# Altium PCB DB_ADCS.PcbDoc (part 2 of 2)
Units mm, origin at the board's own origin, x right, y up, seen from the top; angles counter-clockwise.
Board outline 63.5 x 43.5 mm, 2 copper layers (Top Layer, Bottom Layer), stack 1.671 mm thick; 120 components, 101 nets, 423 pads, 133 vias.
Unrouted connection lines stored in the file: 155.
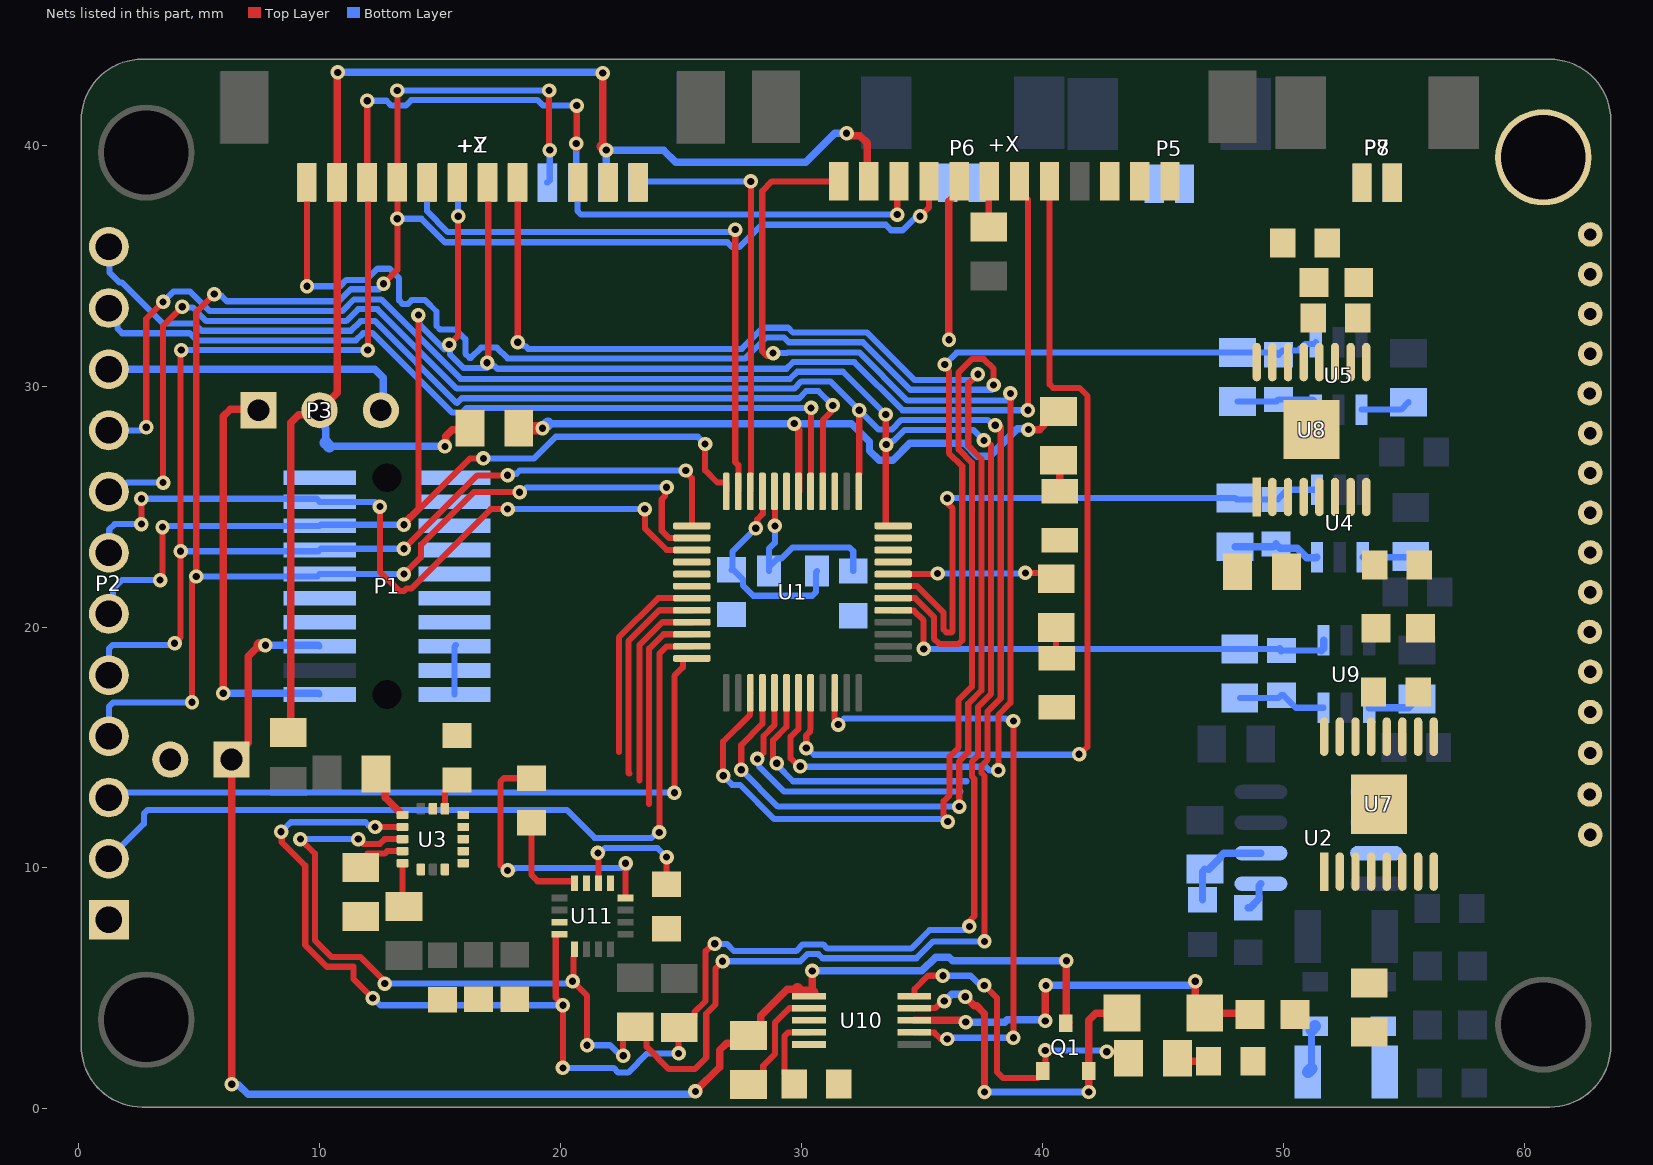
[diagram p2: the nets of this part, all layers, seen from the top]

## Via types
v1: diameter 0.6, hole 0.3, Top Layer to Bottom Layer, 133 vias

## Nets (pads, with @x,y where several pads share a name; then routed paths per layer and width w, separated by ;. In a path a pad name is that pad's centre, name@x,y a point inside that pad or via, vN(x,y) a via of type N, cw(c..) or ccw(c..) an arc to the next point about the centre after c; other vN are vias at no path point) (continued)
"BATTERY VCC": P1.5 P4.1 Q1.3 R18.1 U10.1 | length 61.9
  Top Layer w0.31: P4.1@6.34,14.5 7.04,15.2 7.04,18.79 v1@7.5,19.25 ; v1(6.35,1.025) P4.1@6.35,14.49 ; v1(25.6,0.725) 26.6,1.725 26.6,2.427 26.898,2.725 R18.1@27.322,2.725 ; R18.1@28.308,3.387 28.308,3.858 29.415,4.965 29.835,4.965 ; 30.45,4.825 v1@30.45,5.525 ; Q1.3@41,3.575 v1(41,6.15)
  Top Layer w0.508: P4.1@6.34,14.5 P4.1@6.35,14.49 ; v1@7.5,19.25 v1(7.75,19.25) ; R18.1@27.322,2.725 R18.1@27.638,3.041 ; R18.1@27.8,3.041 27.962,3.041 R18.1@28.308,3.387 ; 29.835,4.965 29.975,4.825 30.45,4.825 ; Q1.3@40.975,3.55 Q1.3@41,3.575
  Bottom Layer w0.254: P1.5@9.95,19.25 P1.5@10,19.2
  Bottom Layer w0.31: v1@6.368,1.007 6.618,1.007 7.025,0.6 v1@25.525,0.6 ; v1(7.75,19.25) P1.5@9.95,19.25 ; v1(30.45,5.725) 35,5.725 35.575,6.3 36.125,6.3 36.275,6.15 v1(41,6.15)
  Bottom Layer w0.508: v1(6.35,1.025) v1@6.368,1.007
"D BOARD ADC0": P1.12
"D BOARD ADC1": P1.14
"D BOARD ADC2": P1.16
"D BOARD GPIO0": P1.7
"D BOARD GPIO1": P1.8
"D BOARD GPIO2": P1.9
"D BOARD GPIO3": P1.10
"D BOARD SPI CS1": P1.19
D_BOARD_SPI_CS0: P1.17 P2.7 U1.15 | length 32
  Top Layer w0.254: v1(2.6,24.275) v1(2.6,25.325) ; v1(12.5,25) 12.5,22.3 13.295,21.505 13.505,21.505 13.6,21.6 13.8,21.6 17.1,24.9 v1(17.8,24.9) ; v1(23.5,24.9) 23.5,24.1 24.4,23.2 U1.15@25.45,23.2
  Bottom Layer w0.254: P2.7@1.25,23.085 1.267,23.102 1.267,24.051 1.491,24.275 v1(2.6,24.275) ; v1(2.6,25.325) 9.875,25.325 P1.17@10,25.2 12.3,25.2 v1(12.5,25) ; v1(17.8,24.9) v1(23.5,24.9)
DRIVER_CH0_0: TP4.1 U1.22 U7.16 | length 8.5
  Top Layer w0.254: 23.675,12.65 23.675,19.1 24.275,19.7 U1.22@25.45,19.7
DRIVER_CH0_1: TP6.1 U1.21 U7.15 | length 8.2
  Top Layer w0.254: 23.275,13.625 23.275,19.25 24.225,20.2 U1.21@25.45,20.2
DRIVER_CH0_CH1_FAULT: U1.46 U7.8
DRIVER_CH0_CH1_SLEEP: TP10.1 U1.16 U7.1
DRIVER_CH1_0: TP8.1 U1.20 U7.9 | length 8.7
  Top Layer w0.254: 22.85,13.925 22.825,13.95 22.825,19.425 24.1,20.7 U1.20@25.45,20.7
DRIVER_CH1_1: TP9.1 U1.19 U7.10 | length 8.4
  Top Layer w0.254: 22.425,14.825 22.425,19.575 24.05,21.2 U1.19@25.45,21.2
DRIVER_CH2_0: TP5.1 U1.18 U8.16
DRIVER_CH2_1: TP7.1 U1.17 U8.15
DRIVER_CH2_FAULT: U1.45 U8.8
DRIVER_CH2_SLEEP: TP11.1 U1.47 U8.1
DRIVER_CH3_0: TP15.1 U1.30 U8.9 | length 11.2
  Top Layer w0.254: v1@28.825,14.5 28.825,15.3 29.38,15.855 U1.30@29.38,17.27
  Bottom Layer w0.254: v1(28.975,14.35) 28.975,14.275 29.65,13.6 36.85,13.6
DRIVER_CH3_1: TP16.1 U1.29 U8.10 | length 12.2
  Top Layer w0.254: v1(28.175,14.525) 28.425,14.775 28.425,15.475 28.88,15.93 U1.29@28.88,17.27
  Bottom Layer w0.254: v1(28.175,14.525) 28.241,14.459 28.241,14.209 29.275,13.175 36.6,13.175
EXTRA_CHANNEL_0: P7.1 U8.7
EXTRA_CHANNEL_1: P7.2 U8.5
FAULT: U1.34 U10.7 | length 26
  Top Layer w0.254: U1.34@31.38,17.27 31.375,17.265 31.375,16.194 31.525,16.044 v1(31.525,15.95) ; U10.7@34.684,3.175 34.697,3.162 35.513,3.162 35.775,2.9 v1(36.05,2.9) ; v1(38.8,2.95) v1(38.8,16.1)
  Bottom Layer w0.254: v1(31.525,15.95) 31.775,16.2 38.478,16.2 38.512,16.166 38.734,16.166 v1(38.8,16.1) ; v1(36.05,2.9) 36.1,2.95 v1@38.6,2.95
GND: +X.3 +Y.3 +Z.3 C1.2 C2.1 C3.2 C4.2 C6.1 C7.2 C13.2 C15.2 C16.2 C17.2 C18.2 C20.2 C21.2 C22.2 C25.2 C26.2 C29.2 C31.1 C33.2 D1.2 D2.2 FB2.1 J_V16.2 M4.0 P1.2 P1.4 P1.6 P2.1 P4.2 R15.1 R16.1 U1.7 U3.8 U3.9 U3.10 U3.11 U3.12 U3.13 U3.15 U7.0 U7.13 U8.0 U8.13 U10.3 U10.5 U11.9 U11.11 | length 2.1
  Bottom Layer w0.254: P1.2@15.6,17.2 P1.4@15.6,18.2 P1.6@15.6,19.2 P1.6@15.65,19.25
GYRO_X_CSn: +X.5 R6.1 U1.32 | length 39.1
  Top Layer w0.254: v1(30.2,14.975) 30.2,15.5 30.35,15.65 30.35,15.725 30.38,15.755 U1.32@30.38,17.27 ; +X.5@40.3,38.5 40.3,30.074 40.449,29.925 41.55,29.925 41.875,29.6 41.875,15.025 41.575,14.725 v1(41.525,14.725)
  Bottom Layer w0.254: v1(30.2,14.975) 30.247,14.975 30.522,14.7 41.475,14.7 41.45,14.725 v1(41.525,14.725)
GYRO_Y_CSn: +Y.5 R8.1 U1.28 | length 59.2
  Top Layer w0.254: v1(18.225,31.825) +Y.5@18.225,38.475 ; v1(27.5,14.075) 27.5,15.1 28.38,15.98 U1.28@28.38,17.27 ; v1(36.55,12.55) 36.55,14.425 36.925,14.8 36.925,16.825 37.475,17.375 37.475,26.975 36.925,27.525 36.925,30.126 36.951,30.126 v1(37.325,30.5)
  Bottom Layer w0.254: v1(18.225,31.825) 18.319,31.825 18.471,31.672 18.528,31.672 18.65,31.55 27.525,31.55 28.4,32.425 29.45,32.425 29.65,32.225 32.725,32.225 34.7,30.25 37.1,30.25 37.325,30.475 v1(37.325,30.5) ; v1(27.5,14.075) 29.025,12.55 v1(36.55,12.55)
GYRO_Z_CSn: +Z.5 R10.1 U1.11 | length 25.3
  Top Layer w0.254: v1(27.25,36.5) 27.25,26.85 27.38,26.72 U1.11@27.38,25.63
  Bottom Layer w0.254: +Z.5@14.45,38.45 14.45,37.275 15.325,36.4 v1@27.3,36.4
"I2C2 SCL BUF": P1.20
"I2C2 SDA BUF": P1.18
I2C_SCL: P2.9 R3.1 R14.1 U1.48 U3.2 U11.16 | length 120.1
  Top Layer w0.254: v1(2.8,28.3) 2.8,32.8 v1(3.5,33.5) ; v1(8.4,11.5) 8.428,11.472 8.428,11.072 9.4,10.1 9.4,6.8 10.3,5.9 11.4,5.9 11.4,5.4 v1(12.2,4.6) ; v1(12.3,11.7) U3.2@13.44,11.7 ; U11.16@19.955,7.25 19.813,7.25 19.8,7.237 19.8,4.622 20.1,4.322 v1(20.1,4.3) v1(20.1,1.7) ; v1(24.9,2.3) 24.9,3.352 R14.1@24.925,3.377 25.087,3.377 25.56,3.85 25.56,4.012 26.025,4.477 26.025,6.55 26.4,6.925 v1(26.4,6.85) ; v1(33.5,28.825) 33.5,24.213 33.513,24.2 U1.48@33.81,24.2 ; v1(36.975,7.575) 37.041,7.641 37.041,7.866 37.175,8 37.175,13.7 37.075,13.8 37.075,14.4 37.325,14.65 37.325,16.675 37.875,17.225 37.875,27.55 37.85,27.575 37.844,27.575 37.669,27.75 v1(37.575,27.75)
  Bottom Layer w0.254: P2.9@1.25,28.165 2.665,28.165 v1(2.8,28.3) ; v1(3.5,33.5) 3.925,33.925 4.625,33.925 5.425,33.125 10.95,33.125 11.425,33.6 12.55,33.6 15.85,30.3 29.525,30.3 29.825,30.6 31.725,30.6 v1(33.5,28.825) ; v1@8.6,11.7 8.8,11.9 11.9,11.9 12.034,11.766 12.234,11.766 v1(12.3,11.7) ; v1(12.2,4.6) 12.222,4.6 12.522,4.3 v1(20.1,4.3) ; v1(20.1,1.7) 22.2,1.7 22.395,1.505 22.805,1.505 23.6,2.3 v1(24.9,2.3) ; v1(26.4,6.85) 26.9,6.85 27.2,6.55 29.775,6.55 30.05,6.825 30.9,6.825 31.075,6.65 34.55,6.65 35.325,7.425 36.825,7.425 v1(36.975,7.575) ; v1(33.525,27.575) 33.619,27.575 33.771,27.728 33.828,27.728 34.275,28.175 37.15,28.175 v1(37.575,27.75)
I2C_SDA: P2.8 R2.1 R13.1 U1.1 U3.3 U11.1 | length 119.2
  Top Layer w0.254: v1(3.5,26) 3.5,32.5 v1(4.3,33.3) ; v1(9.2,11.2) 9.8,10.6 9.8,7 10.5,6.3 11.7,6.3 v1@12.6,5.4 ; v1(11.6,11.2) 11.8,11 12.5,11 12.7,11.2 U3.3@13.44,11.2 ; U11.1@20.575,6.63 20.575,6.445 20.562,6.432 20.562,6.332 20.538,6.307 20.538,5.338 v1(20.5,5.3) 21.1,4.7 v1(21.1,2.642) ; v1(22.6,2.2) 22.6,2.936 23.073,3.409 R13.1@23.1,3.409 ; R13.1@23.1,3.409 23.573,2.936 23.573,2.577 24.5,1.65 25.575,1.65 26.05,2.125 26.05,3.95 26.425,4.325 26.425,5.825 v1(26.725,6.125) ; U1.1@32.38,25.63 32.393,25.643 32.393,26.342 32.4,26.349 v1(32.4,29) ; v1(37.6,6.95) 37.6,13.825 37.475,13.95 37.475,14.25 37.725,14.5 37.725,16.5 38.275,17.05 v1@38.275,28.3
  Bottom Layer w0.254: P2.8@1.25,25.625 1.628,25.625 2.003,26 v1(3.5,26) ; v1(4.3,33.3) 4.328,33.272 4.728,33.272 5.3,32.7 11.1,32.7 11.6,33.2 12.4,33.2 15.7,29.9 29.7,29.9 30,30.2 31.2,30.2 v1(32.4,29) 33.2,28.2 33.75,28.2 34.15,28.6 37.731,28.6 37.956,28.375 v1(38.05,28.375) ; v1(9.2,11.2) v1(11.6,11.2) ; v1(12.7,5.2) v1@20.5,5.2 ; v1(21.1,2.642) 22.058,2.642 22.5,2.2 v1(22.6,2.2) ; v1(26.725,6.125) 29.95,6.125 30.25,6.425 30.7,6.425 30.875,6.25 34.775,6.25 35.475,6.95 v1(37.6,6.95)
JTAG_TCK: P2.12 U1.4 | length 38
  Top Layer w0.254: U1.4@30.88,25.63 30.893,25.643 30.893,26.342 30.9,26.349 30.9,28.6 31.234,28.934 31.234,29.134 v1(31.3,29.2) v1@31.3,29.106
  Bottom Layer w0.254: P2.12@1.25,35.785 1.272,35.763 1.272,34.728 1.7,34.3 1.8,34.3 3.5,32.6 4.8,32.6 5.1,32.3 11.3,32.3 11.7,32.7 12.3,32.7 15.7,29.3 15.9,29.5 29.9,29.5 30.2,29.8 30.7,29.8 v1(31.3,29.2)
JTAG_TDO_TDI: P2.11 U1.5 | length 35.1
  Top Layer w0.254: U1.5@30.38,25.63 30.393,25.643 30.393,26.342 30.4,26.349 v1(30.4,29.1)
  Bottom Layer w0.254: P2.11@1.25,33.245 1.25,32.867 1.601,32.516 1.601,32.399 1.8,32.2 4.6,32.2 4.9,31.9 11.5,31.9 11.8,32.2 12.2,32.2 15.5,28.9 15.9,28.9 16.1,29.1 v1(30.4,29.1) v1@30.5,29.1
JTAG_VCC: P2.10 P3.3 | length 12.7
  Bottom Layer w0.31: P2.10@1.25,30.705 12.295,30.705 12.645,30.355 P3.3@12.645,29.355
  Bottom Layer w0.508: P3.3@12.54,29 P3.3@12.645,29.105
MAGNETORQUER_X0: +X.1 P5.1 U7.2
MAGNETORQUER_X1: +X.2 P5.2 U7.4
MAGNETORQUER_Y0: +Y.1 P6.1 U7.7
MAGNETORQUER_Y1: +Y.2 P6.2 U7.5
MAGNETORQUER_Z0: +Z.1 P8.1 U8.2
MAGNETORQUER_Z1: +Z.2 P8.2 U8.4
NetC13_1: C13.1 R12.1
NetC14_1: C14.1 U2.5 | length 1.3
  Bottom Layer w0.31: C14.1@48.55,8.35 48.625,8.35 48.995,8.72 48.995,9.265 U2.5@49.075,9.345
NetC18_1: C18.1 U11.10 | length 5.4
  Top Layer w0.254: U11.10@21.575,9.37 v1@21.575,10.55 ; C18.1@24.4,9.325 v1(24.4,10.45)
  Bottom Layer w0.254: v1(21.55,10.625) 21.644,10.625 21.844,10.825 24.025,10.825 v1(24.4,10.45)
NetC19_1: C19.1 U11.8 | length 11.3
  Top Layer w0.254: 17.5,10.1 17.5,13.576 17.649,13.725 C19.1@18.8,13.725 ; U11.8@22.695,8.75 22.7,8.755 v1(22.7,10.2)
  Bottom Layer w0.254: v1(17.8,9.9) 17.866,9.966 18.088,9.966 18.122,10 v1@22.8,10
NetC19_2: C19.2 U11.12 | length 4.1
  Top Layer w0.254: C19.2@18.8,11.875 18.8,9.7 19.05,9.45 20.562,9.45 20.575,9.437 U11.12@20.575,9.37
NetC20_1: C20.1 U3.14 | length 1.4
  Top Layer w0.254: U3.14@15.2,12.46 15.2,13.103 15.227,13.13 15.227,13.252 15.625,13.65 C20.1@15.7,13.65
NetC23_2: C23.2 U7.11
NetC24_2: C24.2 U8.11
NetC25_1: C25.1 U7.14
NetC26_1: C26.1 U8.14
NetC31_2: C31.2 R19.2 | length 1.3
  Top Layer w0.31: R19.2@45.741,1.975 C31.2@46.9,1.975
  Top Layer w0.508: R19.2@45.616,2.1 R19.2@45.741,1.975
NetC33_1: C33.1 U10.4 | length 3.3
  Top Layer w0.254: C33.1@29.468,1.032 C33.1@29.475,1.025 ; C33.1@29.7,1.025 29.302,1.423 29.302,1.645 29.3,1.647 29.3,3.026 29.449,3.175 U10.4@30.316,3.175 U10.4@30.303,3.162
NetD1_1: D1.1 R4.1 | length 1.3
  Top Layer w0.31: R4.1@40.675,26.925 40.725,26.875 D1.1@40.725,25.632
NetD2_1: D2.1 R5.1 | length 1.3
  Top Layer w0.254: R5.1@40.575,19.975 40.575,18.725 D2.1@40.6,18.7
NetJ_V5_2: J_V5.2 U3.1 | length 2.2
  Top Layer w0.254: U3.1@13.322,12.318 13.322,12.248 13.37,12.2 U3.1@13.44,12.2
  Top Layer w0.31: J_V5.2@12.332,13.9 12.732,13.5 12.732,12.908 U3.1@13.322,12.318
NetJ_V6_1: J_V6.1 U3.5 | length 1.8
  Top Layer w0.254: U3.5@13.44,10.2 13.44,8.46 J_V6.1@13.5,8.4
NetJ_V7_1: J_V7.1 U4.1 | length 2
  Bottom Layer w0.254: U4.1@53.3,22.9 55.266,22.9 J_V7.1@55.3,22.934
NetJ_V10_1: J_V10.1 U5.1 | length 2.1
  Bottom Layer w0.254: U5.1@53.25,29.025 54.891,29.025 J_V10.1@55.2,29.334
NetJ_V13_1: J_V13.1 U9.1 | length 2.1
  Bottom Layer w0.31: U9.1@53.575,16.65 55.191,16.65 J_V13.1@55.55,17.009
NetJ_V16_1: J_V16.1 U3.4 | length 1.9
  Top Layer w0.254: J_V16.1@11.7,10.3 11.994,10.594 12.694,10.594 12.8,10.7 U3.4@13.44,10.7
NetQ1_1: Q1.1 R19.1 U10.10 | length 13.7
  Top Layer w0.254: U10.10@34.684,4.676 34.687,4.676 34.7,4.688 34.7,4.975 35.25,5.525 v1(35.875,5.525) ; v1(37.594,5.125) 38.125,4.594 38.125,1.525 38.375,1.275 39.811,1.275 39.863,1.327 39.87,1.327 40.023,1.48 Q1.1@40.023,1.487 ; Q1.1@40.023,1.569 40.125,1.671 v1(40.125,2.425) ; v1(42.675,2.375) 43.309,2.375 R19.1@43.584,2.1
  Bottom Layer w0.254: v1(35.875,5.525) 37.025,5.525 v1@37.425,5.125 ; v1(37.594,5.125) v1@37.65,5.125 ; v1(40.125,2.425) v1@42.5,2.425
NetQ1_2: Q1.2 R17.2 U10.9 | length 15.4
  Top Layer w0.254: U10.9@34.684,4.175 34.697,4.188 35.569,4.188 35.856,4.475 v1(35.925,4.475)
  Top Layer w0.31: v1(36.8,4.65) 37.169,4.281 37.275,4.281 37.6,3.956 v1(37.6,0.7) ; v1(41.925,0.7) Q1.2@41.925,1.566 ; Q1.2@41.928,1.569 41.928,3.677 42.225,3.975 R17.2@43.311,3.975
  Top Layer w0.508: v1@37.6,0.65 v1(37.6,0.7) ; Q1.2@41.925,1.566 Q1.2@41.928,1.569
  Bottom Layer w0.254: v1(35.925,4.475) v1@35.972,4.475
  Bottom Layer w0.31: v1@35.972,4.475 36.247,4.75 v1@36.625,4.75 ; v1(37.6,0.7) v1(41.925,0.7)
  Bottom Layer w0.508: v1(41.925,0.7) v1@41.95,0.7
NetR15_2: R15.2 U8.3 U8.6
NetR16_2: R16.2 U7.3 U7.6
NetR18_2: R18.2 U10.2 | length 4.8
  Top Layer w0.254: R18.2@27.8,1.009 27.94,1.009 28.413,1.482 28.413,1.788 28.9,2.275 28.9,3.575 29.5,4.175 U10.2@30.315,4.175
NetTP1_1: TP1.1 U2.3
NetTP2_1: TP2.1 U11.15
NetTP3_1: TP3.1 U3.6
OBDH_DVCC: P1.1 P3.1 | length 17.2
  Top Layer w0.31: v1(6,17.25) 6,28.75 6.298,29.048 P3.1@7.258,29.048
  Top Layer w0.508: P3.1@7.258,29.048 P3.1@7.46,29.25
  Bottom Layer w0.254: P1.1@9.95,17.25 P1.1@10,17.2
  Bottom Layer w0.31: v1(6,17.25) P1.1@9.95,17.25
"SPI CLK": +X.9 +Y.9 +Z.9 P1.11 P2.4 U1.14 | length 96.1
  Top Layer w0.254: v1(4.7,16.875) 4.7,21.925 v1(4.875,22.1) 4.875,33.075 v1@5.45,33.65 ; v1(12.65,34.25) 13.225,34.825 v1(13.225,36.95) +Y.9@13.225,38.475 v1(13.225,42.275) ; v1(13.5,22.2) 14.2,22.9 14.2,23.4 16.4,25.6 v1(18.3,25.6) ; v1@19.525,39.65 v1(19.525,42.275) ; v1(24.4,25.8) 24.334,25.734 24.334,25.434 24.2,25.3 24.2,24 24.5,23.7 U1.14@25.45,23.7 ; v1(34.925,37.05) 35.3,37.425 +X.9@35.3,38.5
  Bottom Layer w0.254: P2.4@1.25,15.465 1.25,16.7 1.425,16.875 v1(4.7,16.875) ; v1(4.875,22.1) 9.9,22.1 P1.11@10,22.2 v1(13.5,22.2) ; v1(5.625,33.825) 5.691,33.759 5.916,33.759 6.15,33.525 10.8,33.525 11.3,34.025 v1@12.475,34.025 ; v1(13.225,36.95) 14.225,36.95 15.2,35.975 26.925,35.975 27.125,35.775 27.425,35.775 28.35,36.7 33.5,36.7 33.725,36.475 34.2,36.475 v1@34.725,37 ; v1(13.225,42.275) v1(19.525,42.275) ; 18.594,25.8 v1(24.4,25.8) ; +Z.9@19.45,38.45 19.55,38.55 v1(19.55,39.8)
"SPI MISO": +X.10 +Y.10 +Z.10 C1.1 P1.13 P2.5 R1.1 U1.13 | length 87.2
  Top Layer w0.254: v1(3.975,19.325) 4.225,19.575 v1(4.225,23.15) 4.225,31.475 v1(4.25,31.5) ; v1(11.975,41.85) +Y.10@11.975,38.475 12,38.45 v1(12,31.5) ; v1@13.55,23.2 v1(13.5,23.25) 16.55,26.3 v1@17.6,26.3 ; v1@20.675,39.875 v1(20.675,41.65) ; v1(25.2,26.5) 25.2,26.428 25.45,26.178 U1.13@25.45,24.2 ; v1(33.975,37.125) 33.975,38.425 +X.10@34.05,38.5
  Bottom Layer w0.254: P2.5@1.25,18.005 1.25,19.101 1.399,19.25 3.8,19.25 3.875,19.325 v1(3.975,19.325) ; v1(4.225,23.15) P1.13@9.95,23.15 ; v1(4.25,31.5) v1(12,31.5) ; P1.13@10,23.2 10.05,23.25 v1(13.5,23.25) ; v1(11.975,41.85) 12.775,41.85 12.975,41.65 13.575,41.65 13.8,41.875 19.05,41.875 19.275,41.65 v1(20.675,41.65) ; v1(17.8,26.3) 17.866,26.366 18.166,26.366 18.3,26.5 v1(25.2,26.5) ; v1(20.65,40.075) 20.65,38.5 +Z.10@20.7,38.45 20.7,37.274 20.849,37.125 v1(33.975,37.125)
"SPI MOSI": +X.6 +Y.6 +Z.6 P1.15 P2.6 U1.12 | length 92.6
  Top Layer w0.254: v1(3.375,21.95) 3.475,22.05 v1(3.475,24.15) ; v1@14.1,32.75 14.1,24.922 13.5,24.322 v1(13.5,24.25) 16.25,27 v1(16.8,27) ; v1(15.375,31.725) 15.75,32.1 v1(15.75,37.05) ; v1(16.95,30.975) 17,31.025 17,38.45 +Y.6@16.975,38.475 ; v1(26,27.6) 26,26.51 26.508,26.002 26.867,26.002 26.88,25.989 U1.12@26.88,25.63 ; +X.6@39.05,38.5 39.05,38.1 39.4,37.75 v1(39.4,29)
  Bottom Layer w0.254: P2.6@1.25,20.545 1.416,20.711 1.416,21.576 1.79,21.95 v1(3.375,21.95) ; v1(3.475,24.15) 3.525,24.2 P1.15@10,24.2 10.05,24.25 v1(13.5,24.25) ; v1(14.1,32.95) 14.153,32.897 14.153,32.547 v1@15.175,31.525 ; v1(15.375,31.725) 15.415,31.685 15.415,31.31 15.975,30.75 v1@16.95,30.75 ; +Z.6@15.7,38.45 15.75,38.4 v1(15.75,37.05) ; v1(16.8,27) 18.9,27 19.8,27.9 25.7,27.9 v1(26,27.6) ; v1(16.95,30.975) 17.044,30.975 17.184,30.835 17.265,30.835 17.375,30.725 29.375,30.725 29.65,31 32.2,31 34.2,29 v1(39.4,29)
SUNSEN_X_ANODE: +X.7 J_V8.2 | length 1.9
  Top Layer w0.254: J_V8.2@37.775,36.6 37.775,38.475 +X.7@37.8,38.5
SUNSEN_X_CATHODE: +X.8 C28.1 J_V9.2 U4.3 | length 10.4
  Top Layer w0.31: v1(36.125,31.925) 36.125,37.675 36.55,38.1 +X.8@36.55,38.5
  Bottom Layer w0.31: J_V9.2@48,23.334 49.584,23.334 C28.1@49.7,23.45 49.883,23.267 50.583,23.267 50.975,22.875 51.375,22.875 U4.3@51.4,22.9
SUNSEN_Y_ANODE: +Y.7 J_V11.1 | length 0.1
  Top Layer w0.254: +Y.7@15.675,38.425 +Y.7@15.725,38.475
SUNSEN_Y_CATHODE: +Y.8 C30.1 J_V12.2 U5.3 | length 3.6
  Bottom Layer w0.254: J_V12.2@48.1,29.359 49.709,29.359 C30.1@49.8,29.45 51.223,29.45 51.35,29.323 U5.3@51.35,29.025
SUNSEN_Z_ANODE: +Z.7 J_V14.1 | length 0.1
  Bottom Layer w0.254: +Z.7@16.95,38.45 +Z.7@17,38.4
SUNSEN_Z_CATHODE: +Z.8 C35.1 J_V15.2 U9.3 | length 3.7
  Bottom Layer w0.254: J_V15.2@48.2,17.059 49.809,17.059 C35.1@49.925,17.175 50,17.175 50.525,16.65 U9.3@51.675,16.65
SYSTEM_ON: R5.2 U1.44 | length 6.3
  Top Layer w0.254: U1.44@33.81,22.2 35.625,22.2 v1(35.65,22.225) ; v1(39.3,22.25) 40.332,22.25 R5.2@40.575,22.007
  Bottom Layer w0.254: 35.975,22.225 v1@39.05,22.225
TEMP_X_CSn: +X.12 R7.1 U1.31 | length 48.4
  Top Layer w0.254: v1@28.625,31.25 28.575,31.25 28.375,31.45 28.375,38.1 28.775,38.5 +X.12@31.55,38.5 ; v1@29.775,14.325 29.55,14.55 29.55,15.45 29.88,15.78 U1.31@29.88,17.27 ; v1(38.175,14.05) 38.175,16.35 38.675,16.85 v1(38.675,29.7)
  Bottom Layer w0.254: v1(28.825,31.375) 29.4,31.375 29.425,31.4 32.4,31.4 34.4,29.4 38.65,29.4 v1@38.725,29.475 ; v1(29.95,14.225) 29.975,14.2 37.65,14.2 37.8,14.05 v1(38.175,14.05)
TEMP_Y_CSn: +Y.12 R9.1 U1.27 | length 73.4
  Top Layer w0.254: v1(9.475,34.15) +Y.12@9.475,38.475 ; v1(26.75,13.825) 26.75,15.25 27.87,16.37 27.87,17.26 U1.27@27.88,17.27 ; v1(36.075,11.925) 36.075,12.019 35.9,12.194 35.9,12.775 36.15,13.025 36.15,14.625 36.525,15 36.525,16.975 37.075,17.525 37.075,26.825 36.525,27.375 36.525,30.575 37.075,31.125 37.575,31.125 37.975,30.725 v1(37.975,30.05)
  Bottom Layer w0.254: v1(9.475,34.15) 10.85,34.15 11.113,34.413 11.938,34.413 12.4,34.875 12.9,34.875 13.3,34.475 13.3,33.558 13.449,33.409 13.659,33.409 13.825,33.575 14.375,33.575 14.85,33.1 14.85,32.499 14.999,32.35 15.65,32.35 16.05,31.95 16.05,31.35 16.225,31.175 16.275,31.175 16.7,31.6 17.35,31.6 17.8,31.15 27.675,31.15 28.55,32.025 29.275,32.025 29.475,31.825 32.55,31.825 34.525,29.85 v1@37.9,29.85 ; v1(26.75,13.825) 27.125,13.45 27.45,13.45 28.875,12.025 v1@35.95,12.025
TEMP_Z_CSn: +Z.12 R11.1 U1.10 | length 17.6
  Top Layer w0.254: U1.10@27.88,25.63 27.893,25.643 27.893,26.342 27.9,26.349 v1(27.9,38.5)
  Bottom Layer w0.254: +Z.12@23.2,38.45 23.25,38.5 v1(27.9,38.5)
UART_RX: P2.3 U1.24 | length 29.6
  Top Layer w0.254: v1(24.725,13.125) 24.725,17.975 25.078,18.328 25.078,18.687 25.091,18.7 U1.24@25.45,18.7
  Bottom Layer w0.254: P2.3@1.25,12.925 1.45,13.125 v1(24.725,13.125)
UART_TX: P2.2 U1.23 | length 33.4
  Top Layer w0.254: v1@24.1,11.425 v1(24.1,11.475) 24.1,18.9 24.4,19.2 U1.23@25.45,19.2
  Bottom Layer w0.254: P2.2@1.25,10.385 2.7,11.835 2.7,12.251 2.849,12.4 20.269,12.4 21.419,11.25 23.781,11.25 24.006,11.475 v1(24.1,11.475)
VCC_3V3: C3.1 C4.1 C7.1 FB1.1 J_V2.1 R1.2 R2.2 R3.2 R4.2 R6.2 R7.2 R8.2 R9.2 R10.2 R11.2 R12.2 U1.6 | length 29.4
  Top Layer w0.254: v1@29.7,28.356 v1(29.7,28.45)
  Top Layer w0.31: v1@29.7,28.356 29.88,28.176 U1.6@29.88,25.63 ; v1(39.425,28.2) 39.886,28.2 40.068,28.382 40.068,28.512 40.513,28.957 R4.2@40.675,28.957
  Top Layer w0.508: J_V2.1@18.266,28.25 v1(19.25,28.25)
  Bottom Layer w0.31: 19.475,28.45 v1(29.7,28.45) 32.075,28.45 32.825,27.7 32.825,27.325 33.225,26.925 33.8,26.925 34.5,27.625 36.775,27.625 37.3,27.1 37.825,27.1 38.963,28.238 39.188,28.238 v1@39.2,28.25 ; C4.1@51.175,1.675 FB1.1@51.175,3.279
  Bottom Layer w0.508: v1(19.25,28.25) 19.275,28.25 19.475,28.45 ; C4.1@51.025,1.525 C4.1@51.175,1.675 ; FB1.1@51.175,3.279 51.321,3.425 FB1.1@51.325,3.425
VCC_3V3_SOURCE_SWITCH: +X.11 +Y.11 +Z.11 J_V2.2 J_V4.2 P3.2 | length 65.8
  Top Layer w0.254: v1@15.199,27.521 v1(15.199,27.5) v1@15.227,27.528 ; J_V2.2@16.184,28.2 J_V2.2@16.234,28.25
  Top Layer w0.31: J_V4.2@8.8,15.616 8.8,28.483 9.128,28.81 9.81,28.81 10.725,29.725 +Y.11@10.725,38.475 v1@10.725,43 ; v1@15.227,27.528 15.227,27.927 15.5,28.2 J_V2.2@16.184,28.2 ; v1@21.75,39.95 v1(21.75,43) ; v1@31.9,40.5 32,40.4 32.427,40.4 32.725,40.102 +X.11@32.725,38.575
  Top Layer w0.508: J_V4.2@8.7,15.516 J_V4.2@8.8,15.616 ; v1@10.725,43 v1(10.75,43.025) ; v1@21.75,39.95 v1(21.9,39.8) ; v1(31.875,40.5) v1@31.9,40.5 ; +X.11@32.725,38.575 +X.11@32.8,38.5
  Bottom Layer w0.254: P3.2@10,29 P3.2@10.238,28.762 ; 10.238,28.24 10.25,28.228
  Bottom Layer w0.31: 10.238,28.24 P3.2@10.238,28.762 ; 10.25,27.649 10.25,28.228 ; 10.399,27.5 v1(15.199,27.5) ; v1(10.75,43.025) v1@21.725,43.025 ; +Z.11@21.9,38.5 v1(21.9,39.8) 24.275,39.8 24.775,39.3 30.175,39.3 31.375,40.5 v1(31.875,40.5)
  Bottom Layer w0.508: 10.25,27.649 10.399,27.5 ; v1@21.725,43.025 v1(21.75,43) ; +Z.11@21.9,38.5 +Z.11@21.95,38.45
VCC_MAGNETORQUER: C21.1 C22.1 C23.1 C24.1 C29.1 R17.1 U7.12 U8.12 U10.8 | length 15.8
  Top Layer w0.31: U10.8@34.684,3.675 35.625,3.675 36.725,3.675 v1@36.8,3.6 ; v1(40.125,3.65) 40.125,5.1 v1(40.15,5.125) ; R17.1@46.35,4.365 v1(46.35,5.3) ; R17.1@46.74,3.975 48.575,3.975 C29.1@48.625,3.925
  Bottom Layer w0.31: v1(36.825,3.6) 38.45,3.6 38.55,3.7 v1@39.85,3.7 ; v1(40.15,5.125) 46.175,5.125 v1(46.35,5.3)
VEREF: C10.1 J_V3.1 U1.3 U2.6 | length 3.9
  Bottom Layer w0.254: J_V3.1@46.75,9.95 J_V3.1@46.912,9.95 ; J_V3.1@47.385,10.423 J_V3.1@47.385,10.466
  Bottom Layer w0.31: C10.1@46.65,8.675 46.65,9.85 J_V3.1@46.75,9.95 ; J_V3.1@46.912,9.95 J_V3.1@47.385,10.423 ; J_V3.1@47.385,10.466 47.534,10.615 U2.6@49.075,10.615
X_SUNSEN_ADC: C28.2 J_V9.1 TP12.1 U1.43 U4.4 | length 24.7
  Top Layer w0.254: U1.43@33.81,21.7 34.8,21.7 35.9,20.6 35.9,19.899 36.019,19.78 36.23,19.78 36.275,19.825 36.275,24.925 36.116,25.084 36.116,25.284 v1(36.05,25.35)
  Bottom Layer w0.254: v1@36.216,25.366 J_V9.1@48,25.366 48.066,25.3 C28.2@49.7,25.3 49.775,25.3 50.175,25.7 U4.4@51.4,25.7
XIN: C2.2 U1.8 Y1.1 | length 8.1
  Top Layer w0.254: U1.8@28.88,25.63 28.893,25.617 28.893,24.918 28.9,24.911 v1(28.9,24.2)
  Bottom Layer w0.254: Y1.1@28.65,22.325 Y1.1@28.65,22.475 ; v1(28.9,24.2) 28.9,23.5 28.65,23.25 Y1.1@28.65,22.475 ; C2.2@32.15,22.325 32.15,23.151 32.001,23.3 29.625,23.3 29.173,22.848 29.023,22.848 Y1.1@28.65,22.475
XOUT: C6.2 U1.9 Y1.2 | length 8.9
  Top Layer w0.254: v1(28.1,24.1) 28.166,24.166 28.166,24.466 28.4,24.7 28.4,24.911 28.393,24.918 28.393,25.617 U1.9@28.38,25.63
  Bottom Layer w0.254: v1(28.1,24.1) 27.132,23.132 27.132,22.407 C6.2@27.1,22.375 27.175,22.375 27.573,21.977 27.573,21.727 28,21.3 30.451,21.3 30.6,21.449 30.6,22.275 Y1.2@30.65,22.325
Y_SUNSEN_ADC: C30.2 J_V12.1 TP13.1 U1.42 U5.4 | length 31.9
  Top Layer w0.254: U1.42@33.81,21.2 34.725,21.2 35.5,20.425 35.5,19.525 35.725,19.3 36.526,19.3 36.675,19.449 36.675,26.675 36.125,27.225 36.125,30.631 35.95,30.806 v1(35.95,30.9)
  Bottom Layer w0.254: v1(35.95,30.9) 36.441,31.391 J_V12.1@48.1,31.391 49.709,31.391 C30.2@49.8,31.3 49.982,31.482 50.632,31.482 50.9,31.75 51.275,31.75 U5.4@51.35,31.825
Z_SUNSEN_ADC: C35.2 J_V15.1 TP14.1 U1.41 U9.4 | length 19.6
  Top Layer w0.254: U1.41@33.81,20.7 33.823,20.687 34.663,20.687 35.075,20.275 v1(35.075,19.091)
  Bottom Layer w0.254: v1(35.075,19.091) J_V15.1@48.2,19.091 C35.2@49.859,19.091 ; C35.2@49.925,19.025 U9.4@51.576,19.025
  Bottom Layer w0.31: C35.2@49.859,19.091 C35.2@49.925,19.025 ; U9.4@51.576,19.025 51.675,19.124 U9.4@51.675,19.45
pads on no net: +X.0 +X.4 +Y.0 +Y.4 +Z.0 +Z.4 FD1.1 FD2.1 FD3.1 M1.0 M2.0 M3.0 P1.AT P5.MP1 P5.MP2 P6.MP1 P6.MP2 P7.MP1 P7.MP2 P8.MP1 P8.MP2 U1.2 U1.25 U1.26 U1.35 U1.36 U1.37 U1.38 U1.39 U1.40 U2.1 U2.7 U2.8 U3.7 U11.3 U11.5 U11.6 U11.7 U11.14

## Keep-outs
Keep-Out Layer:
  lines w0.254: 2.615,0.175 cw(c2.615,2.715) 0.075,2.715 0.075,38.7 0.075,41.135 cw(c2.615,41.135) 2.615,43.675 61.035,43.675 cw(c61.035,41.135) 63.575,41.135 63.575,2.715 cw(c61.035,2.715) 61.035,0.175 ; 3.915,0.075 62.335,0.075
  lines w0.5: -0.05,6.375 -0.075,2.825 ccw(c2.607,2.732) 2.515,0.05 5.25,0.05 ; -0.05,37.5 -0.05,41.235 cw(c2.632,41.142) 2.725,43.825 5.3,43.807 ; 58.325,43.8 61.135,43.8 cw(c61.042,41.117) 63.725,41.025 63.7,37.5 ; 58.45,0.042 60.925,0.025 ccw(c61.017,2.707) 63.7,2.615 63.7,6.425

## Silkscreen, mask and mechanical layers (free items; w line width, h text height)
Top Overlay:
  lines w0.254: 59.725,1.125 60.775,1.125 61.85,1.125 63.225,2.5 63.225,3.525 63.225,4.55 61.8,5.975 60.825,5.975 59.775,5.975 ; 60.325,1.125 59.85,1.125 58.975,2 58.975,3.575 58.975,5.175 59.775,5.975 ; 60.375,5.975 59.775,5.975 ; 0.375,2.575 1.725,1.225 2.775,1.225 3.85,1.225 5.225,2.6 5.225,3.625 5.225,4.65 3.8,6.075 2.825,6.075 1.775,6.075 0.375,4.675 0.375,3.675 0.375,2.575 ; 0.375,38.575 1.725,37.225 2.775,37.225 3.85,37.225 5.225,38.6 5.225,39.625 5.225,40.65 3.8,42.075 2.825,42.075 1.775,42.075 0.375,40.675 0.375,39.675 0.375,38.575 ; 58.375,38.375 59.725,37.025 60.775,37.025 61.85,37.025 63.225,38.4 63.225,39.425 63.225,40.45 61.8,41.875 60.825,41.875 59.775,41.875 58.375,40.475 58.375,39.475 58.375,38.375
Boarder Outline:
  lines w0.254: 0.075,2.715 ccw(c2.615,2.715) 2.615,0.175 ; 0.075,41.135 cw(c2.615,41.135) 2.615,43.675 ; 0.1,2.615 ccw(c2.64,2.615) 2.64,0.075 ; 0.1,41.035 cw(c2.64,41.035) 2.64,43.575 ; 61.035,0.175 ccw(c61.035,2.715) 63.575,2.715 ; 61.035,43.675 cw(c61.035,41.135) 63.575,41.135 ; 61.06,0.075 ccw(c61.06,2.615) 63.6,2.615 ; 61.06,43.575 cw(c61.06,41.035) 63.6,41.035

## Text inside footprints (layer, text, board x,y; h text height)
P1: Bottom Overlay "DVCC" at 7.35,16.925 h0.5; Bottom Overlay "ANT" at 7.1,17.925 h0.5; Bottom Overlay "BAT" at 7.1,18.95 h0.5; Bottom Overlay "CLK" at 7.1,21.9 h0.5; Bottom Overlay "MISO" at 7.308,22.95 h0.5; Bottom Overlay "MOSI" at 7.267,23.9 h0.5; Bottom Overlay "IC2C" at 20,25.325 h0.5; Bottom Overlay "ADC" at 19.792,22.867 h0.5; Bottom Overlay "GPIO" at 20,20.408 h0.5; Bottom Overlay "GND" at 19.792,17.95 h0.5; Bottom Overlay "CS" at 6.85,25.525 h0.5; Bottom Overlay "GPIO" at 7.308,20.5 h0.5
P2: Top Overlay "GND" at 2.4,7.2 h0.75; Top Overlay "UART" at 2.75,12.75 h0.75 r270; Top Overlay "SPI" at 2.6,20.475 h0.75 r270; Top Overlay "I2C" at 2.6,28.1 h0.75 r270; Top Overlay "JTAG" at 2.75,33.75 h0.75 r270; Top Overlay "12" at 2.6,36.8 h0.75 r270
U10: Top Overlay "*" at 29.948,4.602 h0.75; Mechanical 4 "*" at 30.747,3.628 h1.88; Mechanical 4 "*" at 30.747,3.628 h1.88